# Altium PCB PowerAMP_revision.PcbDoc (part 3 of 4)
Units mm, origin at the board's own origin, x right, y up, seen from the top; angles counter-clockwise.
Board outline 211.5 x 142.58 mm, 2 copper layers (Top Layer, Bottom Layer), stack 1.635 mm thick; 322 components, 226 nets, 1061 pads, 745 vias.
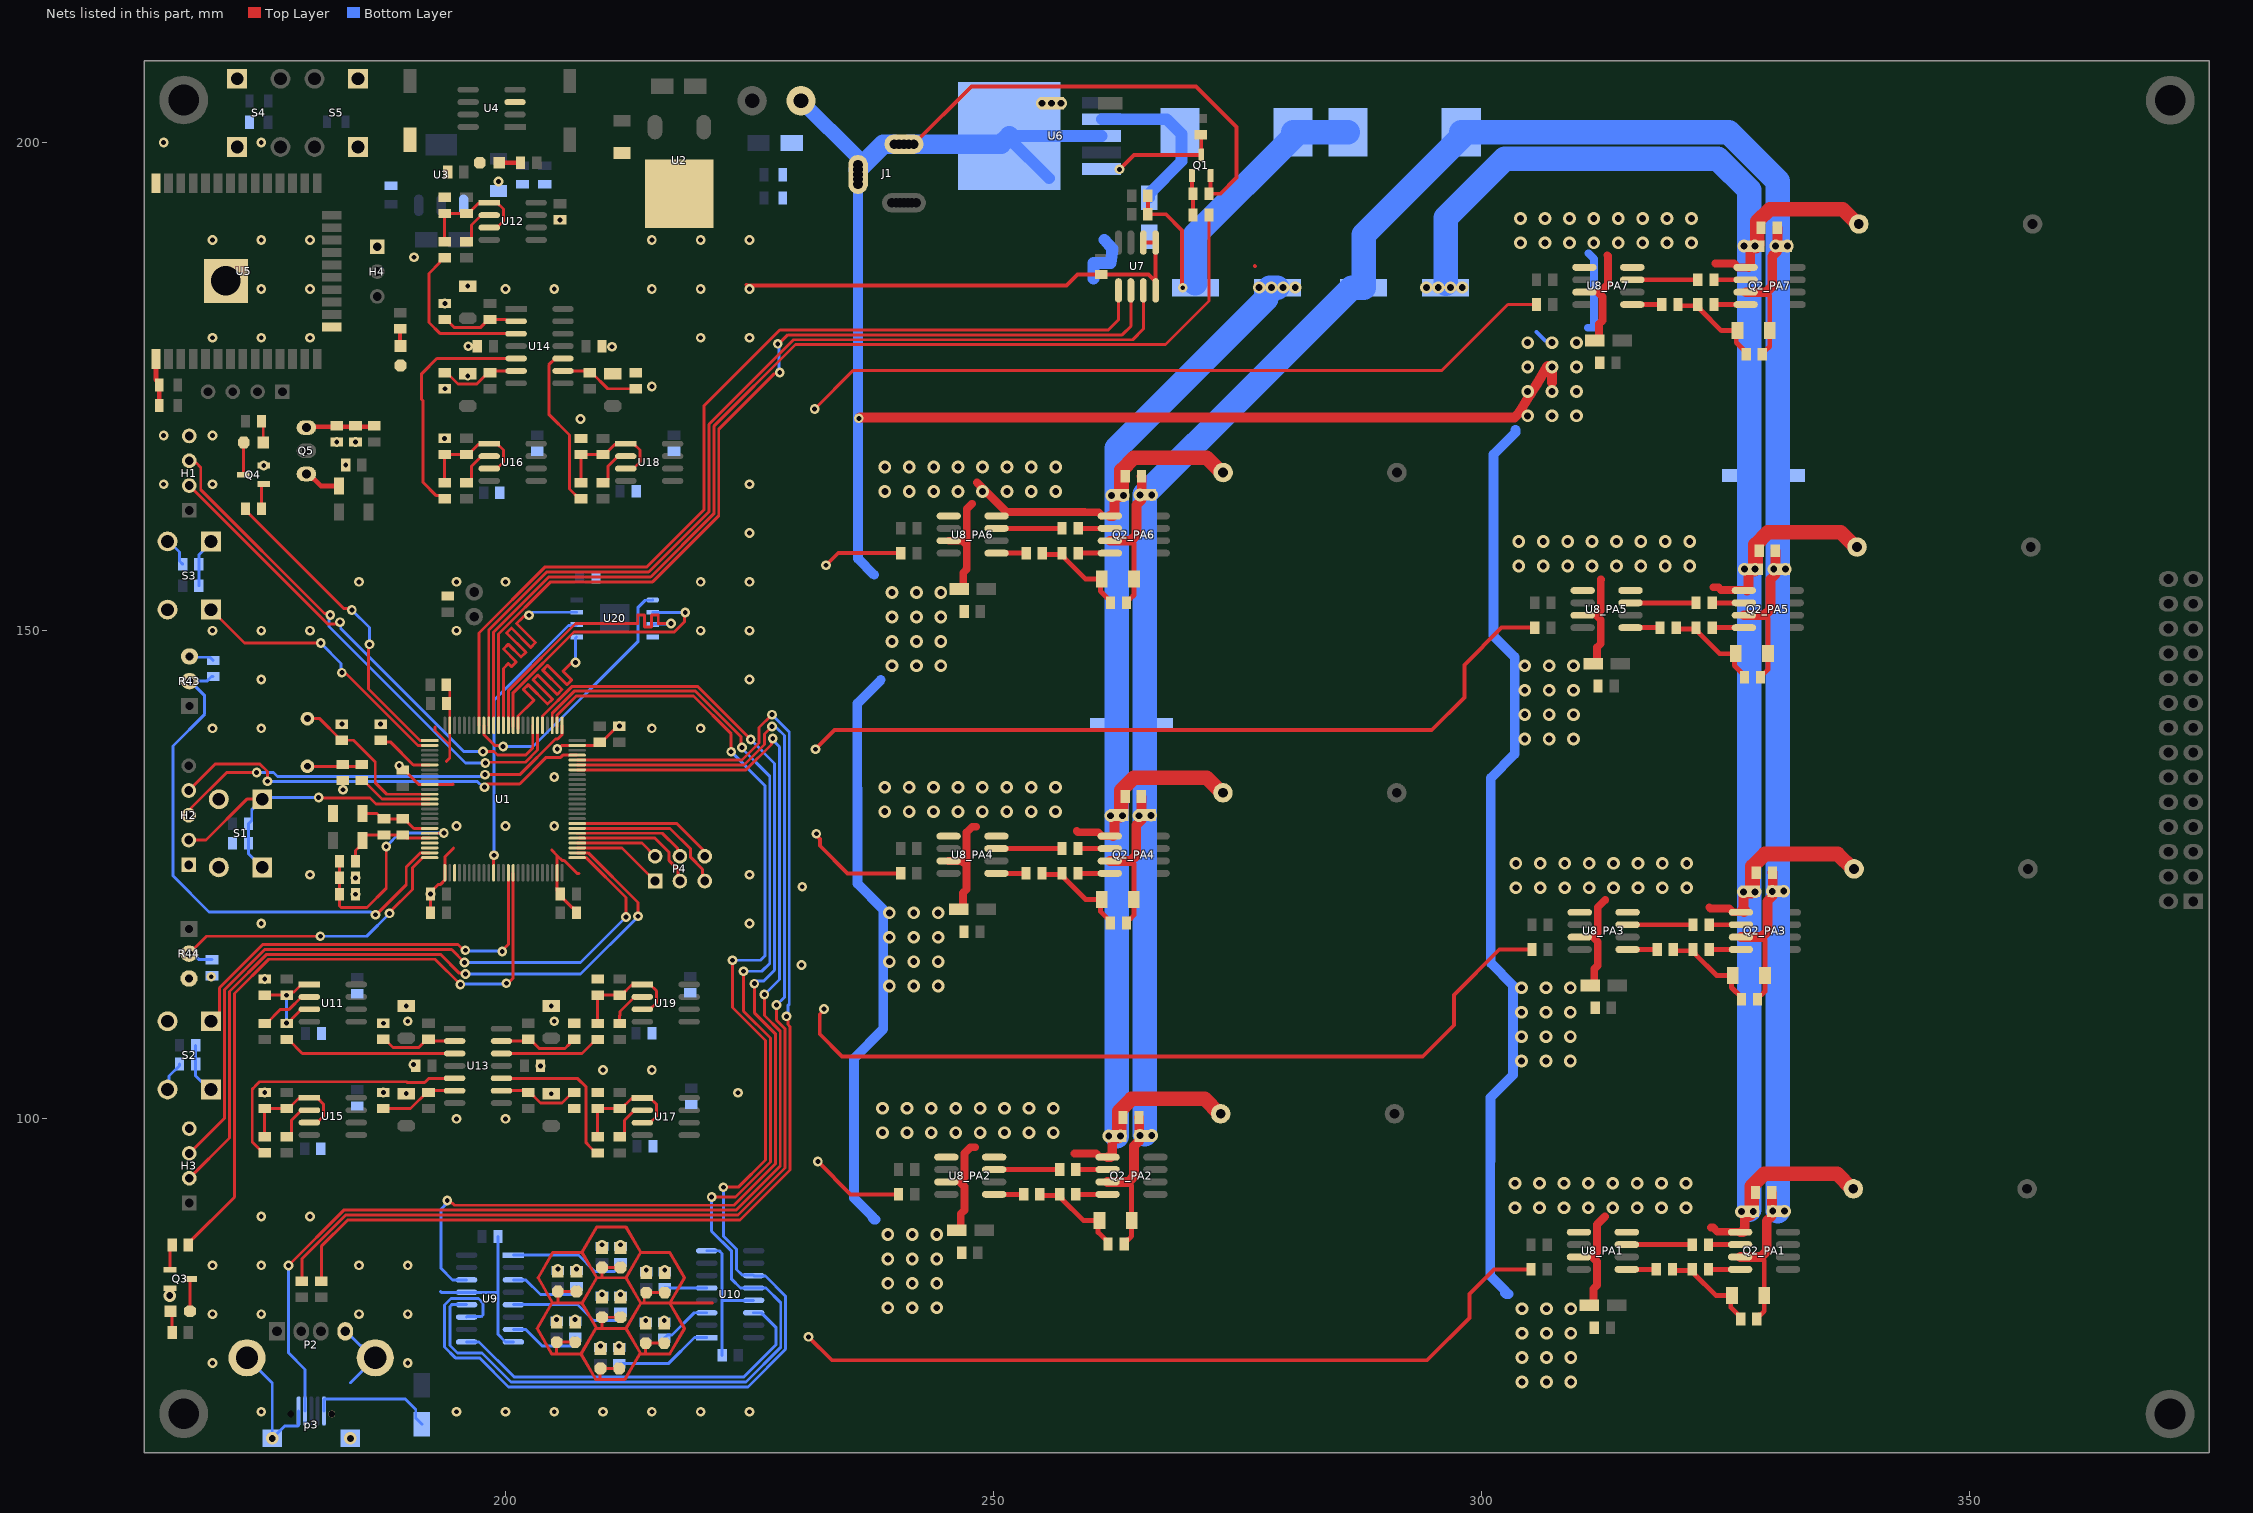
[diagram p3: the nets of this part, all layers, seen from the top]

## Via types
v1: diameter 1.3, hole 0.7, Top Layer to Bottom Layer, tented both sides, 464 vias
v2: diameter 1, hole 0.5, Top Layer to Bottom Layer, tented both sides, 264 vias
v3: diameter 1.27, hole 0.7, Top Layer to Bottom Layer, tented both sides, 17 vias

## Nets (pads, with @x,y where several pads share a name; then routed paths per layer and width w, separated by ;. In a path a pad name is that pad's centre, name@x,y a point inside that pad or via, vN(x,y) a via of type N, cw(c..) or ccw(c..) an arc to the next point about the centre after c; other vN are vias at no path point) (continued)
GND: C3.1 C4.2 C5.1 C7.2 C8.2 C9.2 C11.1 C12.1 C13.1 C14.1 C15.1 C16.1 C17.1 C18.1 C19.2 C20.1 C21.2 C22.2 C23.2 C24.1 C25.2 C26_PA1.2 C26_PA2.2 C26_PA3.2 C26_PA4.2 C26_PA5.2 C26_PA6.2 C26_PA7.2 C27_PA1.2 C27_PA2.2 C27_PA3.2 C27_PA4.2 C27_PA5.2 C27_PA6.2 C27_PA7.2 C28_PA1.2 C28_PA2.2 C28_PA3.2 C28_PA4.2 C28_PA5.2 C28_PA6.2 C28_PA7.2 C29_PA1.2 C29_PA2.2 C29_PA3.2 C29_PA4.2 C29_PA5.2 C29_PA6.2 C29_PA7.2 C31.1 C32.1 C33.1 C34.1 C35.1 C36.1 C37.1 C38.1 C39.1 C40.1 C41.1 C42.2 C43.1 C44.1 C45.1 C46.1 C47.2 C48.2 C49.2 C50.2 C51.2 C52.2 C53.1 C54.1 C55.1 C56.1 C57.1 C58.1 C59.1 C60.1 C61.1 C62.1 C63.1 C64.1 C65.1 C66.1 C67.1 C68.1 C69.1 C70.1 C71.1 C72.1 C73.1 D3.1 D4.1 D5.1 D6.1 D8.1 D9.1 D10.1 D11.1 D12.1 D13.1 D26.1 H1.4 H2.1 H3.4 H4.1 J1.2 J1.3 L3.1 LED1.2 LED2_L1.2 LED2_L2.2 LED2_L3.2 LED2_L4.2 LED2_L5.2 LED2_L6.2 LED2_L7.2 LED3_L1.2 LED3_L2.2 LED3_L3.2 LED3_L4.2 LED3_L5.2 LED3_L6.2 LED3_L7.2 LED6.2 P2.4 p3.5 p3.H@178.025,69.775 Q1.2 Q2_PA1.1 Q2_PA2.1 Q2_PA3.1 Q2_PA4.1 Q2_PA5.1 Q2_PA6.1 Q2_PA7.1 Q3.2 Q4.2 R4.1 R8.1 R13_PA1.2 R13_PA2.2 R13_PA3.2 R13_PA4.2 R13_PA5.2 R13_PA6.2 R13_PA7.2 R14_PA1.1 R14_PA2.1 R14_PA3.1 R14_PA4.1 R14_PA5.1 R14_PA6.1 R14_PA7.1 R15.1 R18.2 R20.2 R28.2 R30.2 R43.2 R44.2 R51.2 R53.2 R61.2 S1.2 S2.2 S3.2 S4.1 S5.1 T1.1 U1.10 U1.26 U1.49 U1.74 U1.99 U2.2 U3.1 U4.3 U5.1 U5.15 U5.38 U5.39 U6.3 U7.4 U7.5 U7.6 U8_PA1.1 U8_PA1.3 U8_PA1.8 U8_PA2.1 U8_PA2.3 U8_PA2.8 U8_PA3.1 U8_PA3.3 U8_PA3.8 U8_PA4.1 U8_PA4.3 U8_PA4.8 U8_PA5.1 U8_PA5.3 U8_PA5.8 U8_PA6.1 U8_PA6.3 U8_PA6.8 U8_PA7.1 U8_PA7.3 U8_PA7.8 U9.8 U9.13 U10.8 U10.13 U20.4 | length 1473.2
  Top Layer w0.25: 192.8,139.8 194.3,138.3
  Top Layer w0.3: C17.1@189.475,135.725 189.65,135.725 191.125,134.25 U1.10@192.25,134.25 194.625,134.25 194.65,134.275 ; C50.2@192.325,121.125 v2(192.325,123.025) 192.325,123.2 193.15,124.025 193.375,124.025 193.8,124.45 U1.26@193.8,125.2 193.8,126.825 194.7,127.725 ; 192.8,139.8 192.8,140.125 ; 193.95,136.6 194.3,136.95 194.3,138.3 U1.99@194.3,140.3 194.3,143.95 193.95,144.3 C14.1@193.95,144.475 ; R8.1@194.1,153.355 R8.1@194.1,153.53 ; 204.75,127.525 205.3,126.975 ; 204.85,81.127 203.35,83.725 204.85,86.323 207.85,86.323 209.35,83.725 ; 205.15,75.927 205.25,76.027 LED3_L7.2@205.25,77.129 LED2_L7.2@207.15,77.129 LED2_L7.2@207.25,77.129 ; v2(205.309,137.875) 205.389,137.875 205.764,138.25 U1.74@207.35,138.25 209.35,138.25 C16.1@209.675,138.575 209.85,138.575 211.175,139.9 211.5,140.225 v2(211.675,140.225) ; 205.325,81.123 205.375,81.173 LED3_L1.2@205.375,82.329 LED2_L1.2@207.275,82.329 LED2_L1.2@207.375,82.329 ; C23.2@207.275,121.125 207.275,121.3 206.95,121.625 206.85,121.625 205.625,122.85 C24.1@205.625,123.025 205.3,123.35 U1.49@205.3,125.2 205.3,126.975 ; 207.55,125.125 207.35,125.125 206.025,126.45 205.825,126.45 205.3,126.975 ; 207.75,75.927 204.75,75.927 203.25,78.525 204.75,81.123 207.75,81.123 ; 207.85,86.325 209.35,88.923 212.35,88.923 213.85,86.325 212.35,83.727 ; 209.25,78.523 207.75,75.925 209.25,73.327 212.25,73.327 213.75,75.925 ; 209.7,73.327 209.7,74.379 LED3_L6.2@209.75,74.429 LED2_L6.2@211.65,74.429 LED2_L6.2@211.75,74.429 ; 209.8,78.527 209.9,78.627 LED3_L4.2@209.9,79.679 LED2_L4.2@211.8,79.679 LED2_L4.2@211.9,79.679 ; 209.85,83.723 209.9,83.773 LED3_L2.2@209.9,84.779 LED2_L2.2@211.8,84.779 LED2_L2.2@211.9,84.779 ; 212.35,78.529 213.85,75.931 216.85,75.931 218.35,78.529 216.85,81.127 ; 213.85,81.127 216.85,81.127 ; 213.85,86.323 216.85,86.323 218.35,83.725 216.85,81.127 ; 214.225,81.127 214.225,82.004 LED3_L3.2@214.425,82.204 LED2_L3.2@216.325,82.204 LED2_L3.2@216.425,82.204 ; 214.35,75.931 214.35,77.004 LED3_L5.2@214.375,77.029 LED2_L5.2@216.275,77.029 LED2_L5.2@216.375,77.029 ; 221.225,81.127 216.85,81.127 ; v2(231.675,172.7) 235.639,176.664 295.932,176.664 302.668,183.4 R13_PA7.2@305.618,183.4 ; 207.85,81.125 209.35,78.527 212.35,78.527 213.85,81.125 212.35,83.723 209.35,83.723 207.85,81.125
  Top Layer w0.4: 224.68,185.425 224.755,185.35 257.469,185.35 258.594,186.475 C11.1@261.025,186.475 261.05,186.5 265.855,186.5 U7.4@266.605,185.75 ; v2(231.05,77.675) 233.45,75.275 294.403,75.275 298.75,79.622 298.75,82.072 301.26,84.582 R13_PA1.2@305.055,84.582 ; v2(231.775,137.85) 231.775,137.882 233.718,139.825 234.333,139.825 294.875,139.825 298.225,143.175 298.225,146.499 302.035,150.309 R13_PA5.2@305.437,150.309 ; v2(231.85,129.2) 231.85,129.041 232.225,128.666 232.225,127.975 235.056,125.144 R13_PA4.2@240.493,125.144 ; v2(232,95.625) 235.358,92.267 R13_PA2.2@240.265,92.267 ; v2(232.625,111.25) 232.625,111.141 232.2,110.716 232.2,108.672 234.472,106.4 293.96,106.4 297.15,109.59 297.15,112.699 301.796,117.345 R13_PA3.2@305.136,117.345 ; v2(232.85,156.7) 234.091,157.941 R13_PA6.2@240.507,157.941 ; R13_PA2.2@240.148,92.325 R13_PA2.2@240.265,92.442 ; J1.2@240.825,199.825 J1.2@241.825,199.825 247.75,205.75 270.725,205.75 274.9,201.575 274.9,196.4 273.25,194.75 R4.1@272.075,194.75 272.225,194.9 Q1.2@272.225,196.625 ; U7.6@265.335,189.75 U7.5@266.605,189.75 U7.4@266.605,185.75 ; U7.4@266.605,184.85 U7.4@266.605,185.75 ; 276.75,187.35 276.775,187.325
  Top Layer w0.5: U5.1@164.215,177.825 164.215,175.71 164.55,175.375 C53.1@164.55,175.15 C54.1@164.55,173.075
  Top Layer w0.8: U8_PA4.3@245.393,126.414 246.775,126.414 247.243,125.945 ; U8_PA6.3@245.407,159.211 246.789,159.211 247.257,158.742 ; C26_PA2.2@246.228,88.584 246.447,88.584 246.647,88.783 246.647,90.267 247.015,90.635 247.015,93.068 246.547,93.537 247.015,94.006 247.015,96.475 247.64,97.1 248.125,97.1 ; C26_PA4.2@246.456,121.461 246.675,121.461 246.875,121.66 246.875,123.144 247.243,123.512 247.243,125.945 ; C26_PA6.2@246.47,154.258 246.689,154.258 246.889,154.457 246.889,155.941 247.257,156.309 247.257,158.742 ; 247.8,163 247.257,162.457 247.257,158.742 ; 248.225,129.925 247.818,129.925 247.243,129.35 247.243,125.945 ; 248.3,165.179 251.329,162.15 259.319,162.15 259.344,162.125 260.743,162.125 Q2_PA6.1@261.067,161.801 ; 258.275,96.45 260.502,96.45 260.825,96.127 261.625,96.127 Q2_PA2.1@261.675,96.077 ; 258.525,129.475 258.65,129.35 260.707,129.35 261.103,128.954 Q2_PA4.1@261.903,128.954 Q2_PA4.1@262.224,128.954 ; C26_PA1.2@311.018,80.899 311.237,80.899 311.437,81.098 311.437,82.582 311.805,82.95 311.805,85.383 311.337,85.852 311.805,86.321 311.805,89.18 312.625,90 ; C26_PA3.2@311.099,113.662 311.318,113.662 311.518,113.861 311.518,115.345 311.886,115.713 311.886,118.146 311.418,118.615 311.886,119.084 311.886,121.661 312.65,122.425 ; C26_PA5.2@311.4,146.626 311.619,146.626 311.819,146.825 311.819,148.309 312.187,148.677 312.187,151.11 311.719,151.579 312.187,152.048 312.187,155.237 312.2,155.25 ; C26_PA7.2@311.581,179.717 311.8,179.717 312,179.916 312,181.4 312.368,181.768 312.368,184.201 311.9,184.67 312.12,184.67 312.925,185.475 312.925,188.375 312.85,188.45 ; 323.3,121.675 323.425,121.55 325.351,121.55 325.746,121.155 Q2_PA3.1@326.546,121.155 Q2_PA3.1@326.867,121.155 ; 323.475,88.875 323.704,88.875 324.137,88.442 326.415,88.442 Q2_PA1.1@326.465,88.392 ; 323.725,154.45 324.238,154.45 324.519,154.169 327.118,154.169 Q2_PA5.1@327.168,154.119 ; 323.925,187.625 323.95,187.6 325.838,187.6 326.228,187.21 Q2_PA7.1@327.028,187.21 Q2_PA7.1@327.349,187.21
  Top Layer w1: v2(236.2,171.75) 236.285,171.835 303.347,171.835 303.821,172.309 303.824,172.315 303.922,172.475 304.936,174.135 305.034,174.296 305.616,175.248 306.728,177.068 306.768,177.132 307.205,176.695 307.205,175.399 ; Q2_PA2.1@261.675,96.077 261.996,96.077 262.146,96.227 262.146,98.137 262.246,98.236 C28_PA2.2@262.617,98.236 ; Q2_PA6.1@261.917,161.751 262.238,161.751 262.388,161.901 262.388,163.811 262.488,163.91 C28_PA6.2@262.859,163.91 ; Q2_PA4.1@262.224,128.954 262.374,129.104 262.374,131.014 262.474,131.113 C28_PA4.2@262.845,131.113 ; Q2_PA1.1@326.465,88.392 326.786,88.392 326.936,88.542 326.936,90.452 327.036,90.551 C28_PA1.2@327.407,90.551 ; Q2_PA3.1@326.867,121.155 327.017,121.305 326.75,121.572 326.8,121.622 v1(326.8,123.25) 327.424,123.25 C28_PA3.2@327.488,123.314 ; Q2_PA5.1@327.168,154.119 327.318,154.269 327.318,156.179 327.418,156.278 C28_PA5.2@327.789,156.278 ; Q2_PA7.1@327.349,187.21 327.499,187.36 327.499,189.27 327.599,189.369 C28_PA7.2@327.97,189.369
  Top Layer w1.5: C28_PA2.2@262.617,98.236 262.716,98.236 262.866,98.387 262.866,100.782 264.131,102.046 271.606,102.046 273.13,100.522 R14_PA2.1@273.265,100.522 ; C28_PA4.2@262.845,131.113 262.944,131.113 263.094,131.264 263.094,133.659 264.359,134.923 271.834,134.923 273.358,133.399 R14_PA4.1@273.493,133.399 ; C28_PA6.2@262.859,163.91 262.958,163.91 263.108,164.061 263.108,166.456 264.373,167.72 271.848,167.72 273.372,166.196 R14_PA6.1@273.507,166.196 ; C28_PA1.2@327.406,90.297 327.407,90.298 C28_PA1.2@327.407,90.551 327.506,90.551 327.656,90.702 327.656,93.097 328.921,94.361 336.396,94.361 337.92,92.837 R14_PA1.1@338.055,92.837 ; C28_PA3.2@327.488,123.314 327.587,123.314 327.737,123.465 327.737,125.86 329.002,127.124 336.477,127.124 338.001,125.6 R14_PA3.1@338.136,125.6 ; C28_PA5.2@327.789,156.278 327.888,156.278 328.038,156.429 328.038,158.824 329.303,160.088 336.778,160.088 338.302,158.564 R14_PA5.1@338.437,158.564 ; C28_PA7.2@327.97,189.369 328.069,189.369 328.219,189.52 328.219,191.915 329.484,193.179 336.959,193.179 338.483,191.655 R14_PA7.1@338.618,191.655
  Bottom Layer w0.3: S2.2@165.228,103.007 165.559,103.339 165.559,104.384 166.625,105.45 C43.1@166.625,105.625 ; S3.2@165.553,159.142 166.625,158.07 166.625,157.125 C44.1@166.95,156.8 ; R43.2@168,147.365 168.09,147.275 169.75,147.275 C45.1@170.075,146.95 ; P2.4@173.535,75.525 176.125,72.935 v1(176.125,67.275) 177.399,68.549 178.779,68.549 178.825,68.595 p3.5@178.825,70.075 ; P2.4@183.605,78.235 183.71,78.235 186.42,75.525 P2.4@186.675,75.525 184.125,72.975 ; 193.375,82.3 193.44,82.235 U9.13@196.025,82.235 199.185,82.235 199.25,82.3 ; C4.2@199.25,87.95 199.25,82.3 ; U9.8@200.825,77.155 200.025,77.155 199.25,77.93 199.25,82.3 ; U10.8@220.625,86.49 221.91,86.49 222.2,86.2 222.2,81.375 ; C42.2@222.2,75.775 222.2,81.375 ; U10.13@225.425,81.41 222.235,81.41 222.2,81.375
  Bottom Layer w0.4: 235.675,92.177 235.7,92.152 235.7,91.9 235.7,91.752 ; 236.075,125.157 236.075,125.2 ; 236.125,157.95 236.3,157.95 ; 301.266,150.5 301.35,150.416 301.35,150.225 ; 305.618,180.581 306.478,179.721
  Bottom Layer w0.8: 310.875,181.025 311.498,181.025 311.498,188.077 310.925,188.65
  Bottom Layer w1: T1.1@230.213,204.212 T1.1@230.275,204.275 ; 235.7,91.9 237.59,90.01 237.59,89.862 237.752,89.7 237.9,89.7 ; 235.7,92.152 235.7,106.2 238.7,109.2 238.7,118.6 238.7,121.465 236.075,124.09 236.075,125.157 ; 236.075,125.2 236.075,133.847 236.05,133.872 236.05,142.562 238.45,144.962 238.45,144.975 ; J1.3@236.075,198.475 236.075,197.225 236.075,196.275 J1.3@236.125,196.225 J1.3@236.125,195.725 236.125,157.95 236.125,157.375 237.775,155.725 ; 302.75,82.05 302.507,82.05 302.38,82.177 302.38,82.42 300.875,83.925 300.875,95.664 300.9,95.689 300.9,102.187 303.2,104.487 303.2,110.925 303.2,113.666 300.925,115.941 300.925,134.925 303.375,137.375 303.375,147.3 301.2,149.475 301.2,168.06 303.45,170.31 303.45,170.575
  Bottom Layer w1.2: U6.3@255.676,196.351 251.627,200.4 U6.3@251.627,200.675 U6.3@261.075,200.675 ; 260.237,186.037 260.237,187.65 261.999,187.65 262.184,189.104 261.338,190.046
  Bottom Layer w1.5: T1.1@230.275,204.275 J1.3@236.075,198.475
  Bottom Layer w2: J1.3@236.125,197.225 238.725,199.825 J1.2@239.825,199.825 ; J1.2@241.325,199.825 250.777,199.825 U6.3@251.627,200.675
  Bottom Layer w2.5: v1@262.617,98.236 262.617,168.667 277.925,183.975 277.925,184.775 278.275,185.125 C8.2@279.075,185.125 ; C9.2@296.3,185.525 296.3,192.275 302.375,198.35 324.19,198.35 327.406,195.134 327.406,184.95 327.406,165.9 327.406,123.25 v1@327.406,90.678
  other v1: 184.125,67.275 304.125,73.05 306.625,73.05 309.125,73.05 304.125,75.55 306.625,75.55 309.125,75.55 304.125,78.05 306.625,78.05 309.125,78.05 304.125,80.55 306.625,80.55 309.125,80.55 239.175,80.65 241.675,80.65 244.175,80.65 239.175,83.15 241.675,83.15 244.175,83.15 239.175,85.65 241.675,85.65 244.175,85.65 239.175,88.15 241.675,88.15 244.175,88.15 326.6,90.5 327.8,90.5 303.415,90.903 305.915,90.903 308.415,90.903 310.915,90.903 313.415,90.903 315.915,90.903 318.415,90.903 320.915,90.903 303.415,93.403 305.915,93.403 308.415,93.403 310.915,93.403 313.415,93.403 315.915,93.403 318.415,93.403 320.915,93.403 261.793,98.249 262.993,98.249 238.625,98.588 241.125,98.588 243.625,98.588 246.125,98.588 248.625,98.588 251.125,98.588 253.625,98.588 256.125,98.588 238.625,101.088 241.125,101.088 243.625,101.088 246.125,101.088 248.625,101.088 251.125,101.088 253.625,101.088 256.125,101.088 304.075,105.925 306.575,105.925 309.075,105.925 304.075,108.425 306.575,108.425 309.075,108.425 304.075,110.925 306.575,110.925 309.075,110.925 304.075,113.425 306.575,113.425 309.075,113.425 239.325,113.6 241.825,113.6 244.325,113.6 239.325,116.1 241.825,116.1 244.325,116.1 239.325,118.6 241.825,118.6 244.325,118.6 239.325,121.1 241.825,121.1 244.325,121.1 328,123.25 303.496,123.666 305.996,123.666 308.496,123.666 310.996,123.666 313.496,123.666 315.996,123.666 318.496,123.666 320.996,123.666 303.496,126.166 305.996,126.166 308.496,126.166 310.996,126.166 313.496,126.166 315.996,126.166 318.496,126.166 320.996,126.166 261.993,131.049 263.193,131.049 238.853,131.465 241.353,131.465 243.853,131.465 246.353,131.465 248.853,131.465 251.353,131.465 253.853,131.465 256.353,131.465 238.853,133.965 241.353,133.965 243.853,133.965 246.353,133.965 248.853,133.965 251.353,133.965 253.853,133.965 256.353,133.965 304.4,138.9 306.9,138.9 309.4,138.9 304.4,141.4 306.9,141.4 309.4,141.4 304.4,143.9 306.9,143.9 309.4,143.9 239.6,146.4 242.1,146.4 244.6,146.4 304.4,146.4 306.9,146.4 309.4,146.4 239.6,148.9 242.1,148.9 244.6,148.9 239.6,151.4 242.1,151.4 244.6,151.4 239.6,153.9 242.1,153.9 244.6,153.9 326.9,156.3 328,156.3 303.797,156.63 306.297,156.63 308.797,156.63 311.297,156.63 313.797,156.63 316.297,156.63 318.797,156.63 321.297,156.63 303.797,159.13 306.297,159.13 308.797,159.13 311.297,159.13 313.797,159.13 316.297,159.13 318.797,159.13 321.297,159.13 262.093,163.849 263.293,163.849 238.867,164.262 241.367,164.262 243.867,164.262 246.367,164.262 248.867,164.262 251.367,164.262 253.867,164.262 256.367,164.262 238.867,166.762 241.367,166.762 243.867,166.762 246.367,166.762 248.867,166.762 251.367,166.762 253.867,166.762 256.367,166.762 304.7,172 307.2,172 309.7,172 304.7,174.5 307.2,174.5 309.7,174.5 304.7,177 307.2,177 309.7,177 304.7,179.5 307.2,179.5 309.7,179.5 326.85,189.4 327.975,189.4 303.978,189.721 306.478,189.721 308.978,189.721 311.478,189.721 313.978,189.721 316.478,189.721 318.978,189.721 321.478,189.721 303.978,192.221 306.478,192.221 308.978,192.221 311.478,192.221 313.978,192.221 316.478,192.221 318.978,192.221 321.478,192.221
  other v2: 175,70 195,70 200,70 205,70 210,70 215,70 220,70 225,70 170,75 190,75 170,80 175,80 185,80 190,80 170,85 175,85 185,85 190,85 175,90 180,90 195,100 200,100 204.7,102.575 189.85,102.585 223.825,102.675 187.5,102.7 175.35,102.71 210,105 215,105 203.6,105.425 190.575,105.55 187.5,109.79 190,110 205,110 189.85,111.565 204.7,111.565 175.35,114.315 169.875,114.55 230.325,115.75 175,120 225,120 184.65,123 230.4,123.775 184.65,124.688 180,125 225,125 195,130 200,130 205,130 183.375,133.71 205,135 189.125,136.175 170,140 175,140 215,140 220,140 183.25,140.425 187.225,140.425 175,145 225,145 170,150 175,150 180,150 195,150 220,150 225,150 185,155 195,155 200,155 220,155 225,155 225,160 165,165 170,165 225,165 175.25,166.925 183.65,166.975 182.725,169.325 184.65,169.325 193.775,169.7 165,170 170,170 207.7,171.675 193.8,174.78 215,175 196.15,176.1 210.925,179.075 196.2,179.125 170,180 175,180 180,180 220,180 225,180 193.8,183.51 175,185 180,185 200,185 205,185 215,185 220,185 225,185 196.15,185.285 190.65,188.25 170,190 175,190 180,190 215,190 220,190 225,190 205.6,192.075 199.3,196 165,200 175,200
  other v3: 165.625,81.9 277.2,185.15 278.45,185.15 279.65,185.15 280.9,185.15 294.325,185.15 295.55,185.15 296.8,185.15 298,185.15 254.975,204.025 255.937,204.025 256.9,204.025
LED1: R45.1 U1.40 | length 69.9
  Top Layer w0.3: R45.1@167.525,87.075 167.525,87.25 172.25,91.975 172.25,112.835 175.765,116.35 192.792,116.35 v2(195.389,113.752) ; v2(200.1,113.892) 200.277,113.892 200.8,114.414 U1.40@200.8,125.2
  Bottom Layer w0.3: v2(195.389,113.752) 195.459,113.822 200.031,113.822 v2(200.1,113.892)
LED2: R46.1 U1.1 | length 32.6
  Top Layer w0.3: R46.1@173.375,162.5 173.375,162.325 183.441,152.259 184.141,152.259 v2(184.275,152.125) ; v2(186.075,148.6) 185.975,148.5 185.975,144.032 191.257,138.75 U1.1@192.25,138.75
  Bottom Layer w0.3: v2(184.275,152.125) 186.075,150.325 v2(186.075,148.6)
LED_data: U1.80 U9.14 | length 118.1
  Top Layer w0.3: v2(194.05,91.635) 194.312,91.635 194.312,91.562 194.48,91.394 194.553,91.394 194.797,91.15 223.418,91.15 223.768,91.5 227.65,95.382 227.65,108.725 225.5,110.875 v2(225.5,113.85) ; U1.80@203.8,140.3 203.8,141.257 206.843,144.3 219.677,144.3 v2(225.125,138.852)
  Bottom Layer w0.3: v2(194.05,91.635) 194.05,91.401 193.4,90.751 193.4,84.7 194.595,83.505 U9.14@196.025,83.505 ; v2(225.125,138.852) 227.575,136.402 227.575,115.225 226.45,114.1 v2@225.676,114.1
NetC8_1: C8.1 C10.1 L1.2 L2.1 R5.2 | length 37.2
  Top Layer w0.4: R5.2@265.8,194.55 C10.1@265.8,192.65 267.65,192.65 269.3,191 269.3,185.2 v2(269.375,185.125)
  Bottom Layer w2.5: C8.1@270.675,185.6 270.675,190.55 280.675,200.55 L1.2@280.675,201.05 L2.1@286.3,201.05
NetC12_2: C12.2 R6.2 Y1.2 | length 6.1
  Top Layer w0.3: Y1.2@179.725,136.11 183.35,136.11 185.11,136.11 R6.2@185.3,136.3 ; R6.2@185.225,136.275 R6.2@185.515,136.565
NetC30_PA1_1: C30_PA1.1 U8_PA1.5 | length 3.1
  Top Layer w0.5: U8_PA1.5@314.855,84.582 317.756,84.582 C30_PA1.1@317.883,84.455
NetC30_PA1_2: C30_PA1.2 D7_PA1.1 R10_PA1.2 R12_PA1.2 | length 10.1
  Top Layer w0.5: C30_PA1.2@319.533,84.455 321.565,84.455 321.79,84.23 321.79,84.103 323.978,81.915 D7_PA1.1@325.63,81.915 ; D7_PA1.1@325.502,81.915 325.502,80.693 326.518,79.677 R10_PA1.2@326.518,79.502
NetC30_PA2_1: C30_PA2.1 U8_PA2.5 | length 3.1
  Top Layer w0.5: U8_PA2.5@250.065,92.267 252.966,92.267 C30_PA2.1@253.093,92.14
NetC30_PA2_2: C30_PA2.2 D7_PA2.1 R10_PA2.2 R12_PA2.2 | length 10.1
  Top Layer w0.5: C30_PA2.2@254.743,92.14 256.775,92.14 257,91.915 257,91.788 259.188,89.6 D7_PA2.1@260.84,89.6 ; D7_PA2.1@260.712,89.6 260.712,88.378 261.728,87.362 R10_PA2.2@261.728,87.187
NetC30_PA3_1: C30_PA3.1 U8_PA3.5 | length 3.1
  Top Layer w0.5: U8_PA3.5@314.936,117.345 317.837,117.345 C30_PA3.1@317.964,117.218
NetC30_PA3_2: C30_PA3.2 D7_PA3.1 R10_PA3.2 R12_PA3.2 | length 10.1
  Top Layer w0.5: C30_PA3.2@319.614,117.218 321.646,117.218 321.871,116.993 321.871,116.866 324.059,114.678 D7_PA3.1@325.711,114.678 ; D7_PA3.1@325.583,114.678 325.583,113.456 326.599,112.44 R10_PA3.2@326.599,112.265
NetC30_PA4_1: C30_PA4.1 U8_PA4.5 | length 3.1
  Top Layer w0.5: U8_PA4.5@250.293,125.144 253.194,125.144 C30_PA4.1@253.321,125.017
NetC30_PA4_2: C30_PA4.2 D7_PA4.1 R10_PA4.2 R12_PA4.2 | length 10.1
  Top Layer w0.5: C30_PA4.2@254.971,125.017 257.003,125.017 257.228,124.792 257.228,124.665 259.416,122.477 D7_PA4.1@261.068,122.477 ; D7_PA4.1@260.94,122.477 260.94,121.255 261.956,120.239 R10_PA4.2@261.956,120.064
NetC30_PA5_1: C30_PA5.1 U8_PA5.5 | length 3.1
  Top Layer w0.5: U8_PA5.5@315.237,150.309 318.138,150.309 C30_PA5.1@318.265,150.182
NetC30_PA5_2: C30_PA5.2 D7_PA5.1 R10_PA5.2 R12_PA5.2 | length 10.1
  Top Layer w0.5: C30_PA5.2@319.915,150.182 321.947,150.182 322.172,149.957 322.172,149.83 324.36,147.642 D7_PA5.1@326.012,147.642 ; D7_PA5.1@325.884,147.642 325.884,146.42 326.9,145.404 R10_PA5.2@326.9,145.229
NetC30_PA6_1: C30_PA6.1 U8_PA6.5 | length 3.1
  Top Layer w0.5: U8_PA6.5@250.307,157.941 253.208,157.941 C30_PA6.1@253.335,157.814
NetC30_PA6_2: C30_PA6.2 D7_PA6.1 R10_PA6.2 R12_PA6.2 | length 10.1
  Top Layer w0.5: C30_PA6.2@254.985,157.814 257.017,157.814 257.242,157.589 257.242,157.462 259.43,155.274 D7_PA6.1@261.082,155.274 ; D7_PA6.1@260.954,155.274 260.954,154.052 261.97,153.036 R10_PA6.2@261.97,152.861
NetC30_PA7_1: C30_PA7.1 U8_PA7.5 | length 3.1
  Top Layer w0.5: U8_PA7.5@315.418,183.4 318.319,183.4 C30_PA7.1@318.446,183.273
NetC30_PA7_2: C30_PA7.2 D7_PA7.1 R10_PA7.2 R12_PA7.2 | length 10.1